# Altium PCB power-v3.4.PcbDoc (part 2 of 3)
Units mil, origin at the board's own origin, x right, y up, seen from the top; angles counter-clockwise.
Board outline 6141.36 x 3430.84 mil, 4 copper layers (Signal 1, Ground, Power, Signal 2), stack 60.469 mil thick; 246 components, 147 nets, 633 pads, 963 vias.
Unrouted connection lines stored in the file: 21.
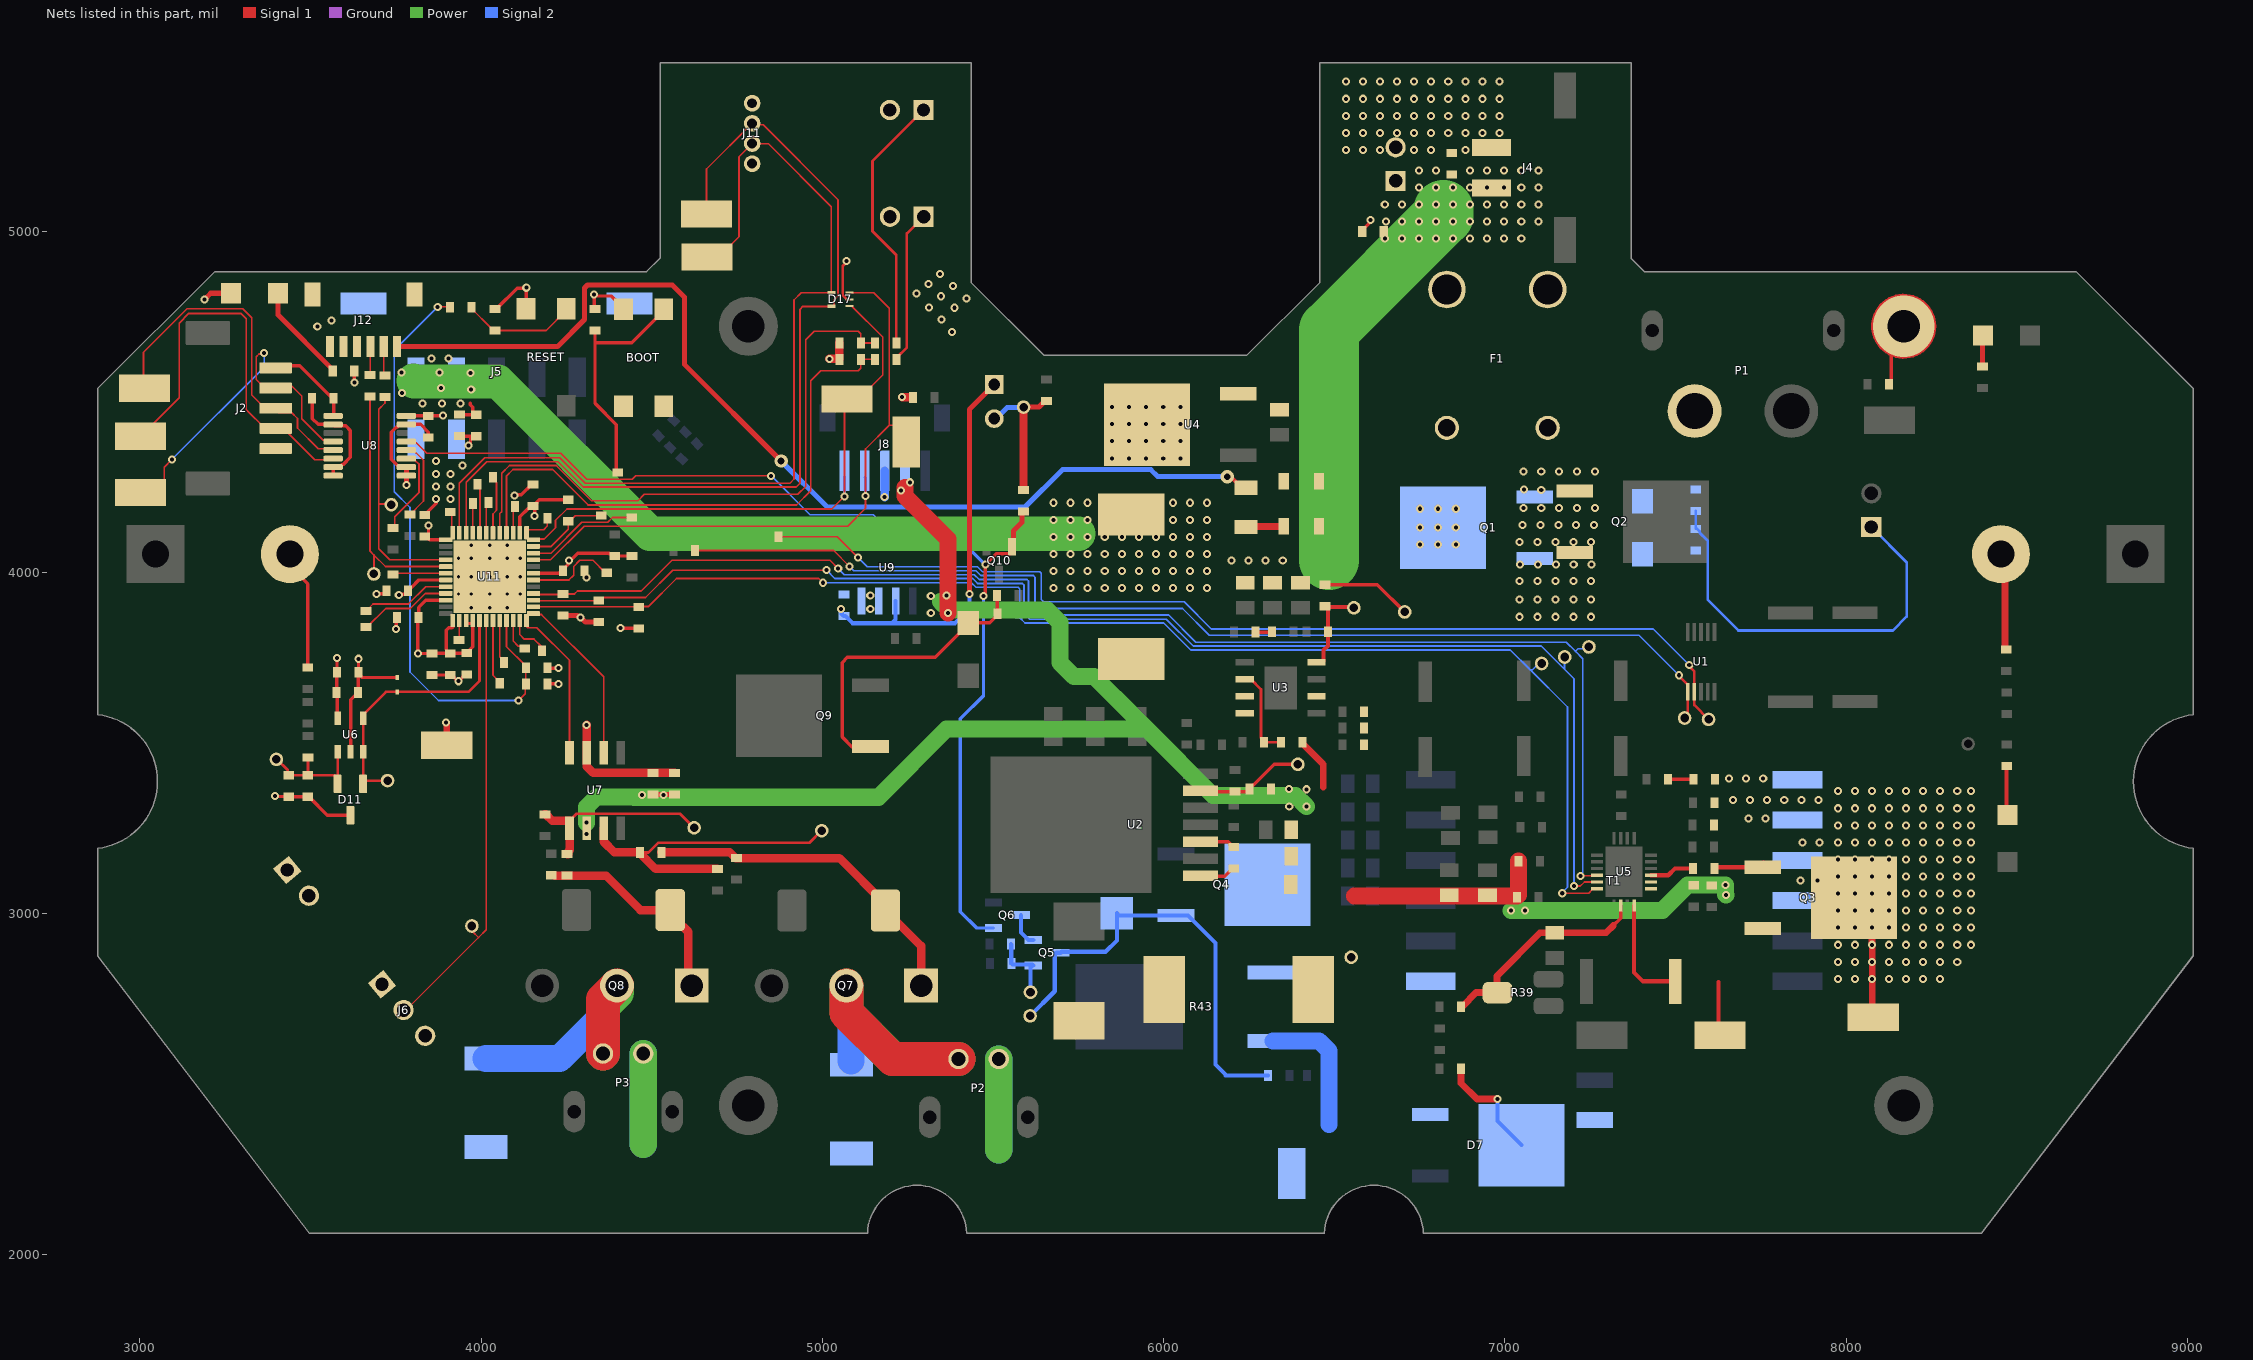
[diagram p4: the nets of this part, all layers, seen from the top]

## Part data (continued)
D4 D6: library part "DIODE SCHOTTKY 20V 1A", "Diode Schottky 20V 1A Surface Mount SOD-123FL", Current Rating=1A, Package=SOD-123, Voltage Rating=20V, ComponentLink1Description=digikey, ComponentLink1URL=https://www.digikey.ca/product-detail/en/on-semiconductor/MBR0540T1G/MBR0540T1GOSCT-ND/917967, Digikey=SM5817PL-TPMSCT-ND, Digikey Link=https://www.digikey.ca/product-detail/en/micro-commercial-co/SM5817PL-TP/SM5817PL-TPMSCT-ND/1793410, MF="Micro Commercial Co", MP=SM5817PL-TP, Supplier 1=Digi-Key, Supplier 2="Arrow Electronics", Supplier 3="Future Electronics", Supplier 4=Mouser
D7: "Diode Switching 600V 5A DPAK", Supplier Part Number 1=VS-5EWH06FN-M3-ND, Digikey=VS-5EWH06FN-M3-ND, Digikey Link=https://www.digikey.ca/en/products/detail/vishay-semiconductor-diodes-division/VS-5EWH06FN-M3/4934509, MF="Vishay Diodes", MF PN=VS-5EWH06FN-M3, Supplier 1=Digi-Key, Supplier 2=Newark, Supplier 3=Mouser, Supplier Part Number 2=82T9776, Supplier Part Number 3=78-VS-5EWH06FN-M3
D9: library part "DIODE ZENER 15V 3W", "Diode ZENER 15V 3W", Supplier Part Number 1=3SMBJ5929BTPMSCT-ND, Supplier 1=Digi-Key
D10: library part "DIODE ZENER 3.3 200mW", "Zener Diode 3.3 V 200 mW ±5% Surface Mount SOD-923", Mfr_Name="ON Semiconductor", Supplier Part Number 1=NZ9F3V3T5GOSCT-ND, Copyright="Copyright (C) 2021 Ultra Librarian. All rights reserved.", Digi-Key_Part_Number_1=NZ9F3V3T5GOSTR-ND, Digi-Key_Part_Number_2=NZ9F3V3T5GOSCT-ND, Digi-Key_Part_Number_3=NZ9F3V3T5GOSDKR-ND, Manufacturer_Part_Number=NZ9F3V3T5G, RefDes=RefDes, Supplier 1=Digi-Key, Type=DEV
D11: library part "DIODE TVS 3.3VR 3.5VBR", "3.3V Reverese Standoff, 3.5V Breakdown, 12.5V Clamp 40A (8/20µs) Ipp Tvs Diode SMD SOT-23", ComponentLink1Description="Octopart Link", ComponentLink1URL=https://octopart.com/search?q=SM3.3H-TP&currency=USD&specs=0
D12 D14: library part "DIODE FAST 600V 8A", "Diode Standard 600 V 8A Surface Mount SMC", Supplier Part Number 1=1740-MUR860JCT-ND, ComponentLink1Description="Octopart Link", ComponentLink1URL=https://octopart.com/search?q=MUR860J&currency=USD&specs=0, Supplier 1=DigiKey, Supplier 2=Digi-Key, Supplier 3=Newark, Supplier 4=Mouser, Supplier Part Number 2=1740-MUR860JCT-ND, Supplier Part Number 3=37AJ9020, Supplier Part Number 4=771-MUR860J
D13 D15: library part "DIODE TVS 14VR 15.6VBR", "23.2V Clamp 64.7A Ipp Tvs Diode Surface Mount DO-214AB (SMC), VR = 14V, VBR = 15.6V", Package=None, Supplier Part Number 1=SMCJ14ABCT-ND, Availability=Unavailable, MP=SMCJ14A, Price=None, Supplier 1=Digi-Key, Supplier 2=Mouser, Supplier Part Number 2=652-SMCJ14A
D17: library part "DIODE TVS 3.5 VWM 4 Channel", "- Clamp - Ipp Tvs Diode Surface Mount ESV 4 Channel", Manufacturer_Part_Number=df5a5.6cje(te85l, Mfr_Name="Toshiba Electronic Devices & Storage Co.", Supplier Part Number 1=DF5A5.6CJE,LMCT-ND, Copyright="Copyright (C) 2021 Ultra Librarian. All rights reserved.", Digi-Key_Part_Number_1=DF5A5.6CJE(TE85LF)TR-ND, Digi-Key_Part_Number_2=DF5A5.6CJE(TE85LF)CT-ND, Digi-Key_Part_Number_3=DF5A5.6CJE(TE85LF)DKR-ND, RefDes=RefDes, Supplier 1=Digi-Key, Type=DEV
F1: library part "FUSE BLADE", "Fuse Block 30A 500V 1 Circuit Blade Through Hole", Package="Nonstandard Keystone", Supplier Part Number 1=36-3549-2-ND, Availability=Unavailable, MF="Keystone Electronics", MP=3557-2, Price=None, SnapEDA_Link=https://www.snapeda.com/parts/3557-2/Keystone%20Electronics/view-part/278060/?ref=snap, Supplier 1=Digi-Key, Supplier 2=Newark, Supplier 3="Future Electronics", Supplier 4=Mouser, Supplier Part Number 2=22M2704, Supplier Part Number 3=5706072, Supplier Part Number 4=534-3549-2
F2: library part "FUSE 3A 63V SLOW", "FUSE 3A 63V AC/DC SLOW 1206", Current Rating (Amps)=3A, Operating Temperature="-55°C ~ 90°C", Voltage Rating - AC=63V, Response Time="Slow Blow", Voltage Rating - DC=63V
J1 J3: "Connector Header Through Hole 2 position 0.098 _2.50mm_ / JST XH", Package=None, Availability=Unavailable, MF="JST Sales", MP=B2B-XH-A_LF__SN_, Price=None, SnapEDA_Link=https://www.snapeda.com/parts/B2B-XH-A%28LF%29%28SN%29/JST%20Sales%20America%20Inc./view-part/492310/?ref=snap
J2: library part "CN 5POS JST ZE SMT", "CONN HEADER VERT SMD 5POS ZE", Supplier Part Number 1=455-2383-1-ND, Supplier 1=Digi-Key
J4: library part "CN HDR 2POS Molex 0436500214", "Connector Header Surface Mount, Right Angle 2 position 0.118\" (3.00mm)", Manufacturer_Name=Molex, Manufacturer_Part_Number=43650-0214, Supplier Part Number 1=WM14310CT-ND, Datasheet Link=http://www.molex.com/webdocs/datasheets/pdf/en-us//0436500214_PCB_HEADERS.pdf, Supplier 1=Digi-Key, Supplier 2=Newark, Supplier 3="Arrow Electronics", Supplier 4=Mouser, Supplier Part Number 2=39AH6218, Supplier Part Number 3=43650-0214, Supplier Part Number 4=538-43650-0214
J5: library part "CN HDR 10POS MOLEX 430451010", "Connector Header Surface Mount, Right Angle 10 position 0.118\" (3.00mm)", Mfr_Name="Molex Connector Corporation", Supplier Part Number 1=WM3819CT-ND, Copyright="Copyright (C) 2021 Ultra Librarian. All rights reserved.", Digi-Key_Part_Number_1=WM3819TR-ND, Digi-Key_Part_Number_2=WM3819CT-ND, Digi-Key_Part_Number_3=WM3819DKR-ND, Manufacturer_Part_Number=430451010, RefDes=RefDes, Supplier 1=Digi-Key, Supplier 2=Newark, Supplier 3=Mouser, Supplier Part Number 2=03AH4054, Supplier Part Number 3=538-43045-1010, Type=DEV
J6: library part "CN HDR 3POS JST XH", "Connector Header Through Hole 3 position 0.098 (2.50mm)", Package=None, Supplier Part Number 1=455-2248-ND, Availability="In Stock", Check_prices=https://www.snapeda.com/parts/B3B-XH-A(LF)(SN)/JST%20Sales%20America%20Inc./view-part/231271/?ref=eda, MF="JST Sales", MP=B3B-XH-A(LF)(SN), Price=None, SnapEDA_Link=https://www.snapeda.com/parts/B3B-XH-A(LF)(SN)/JST%20Sales%20America%20Inc./view-part/231271/?ref=snap, Supplier 1=Digi-Key
J7 J9 J10: "Connector Header Through Hole 2 position 0.098 _2.50mm_ / JST XH", Package=None, Supplier Part Number 1=455-2247-ND, Availability=Unavailable, MF="JST Sales", MP=B2B-XH-A_LF__SN_, Price=None, SnapEDA_Link=https://www.snapeda.com/parts/B2B-XH-A%28LF%29%28SN%29/JST%20Sales%20America%20Inc./view-part/492310/?ref=snap, Supplier 1=Digi-Key, Supplier 2=RSComponents, Supplier 3=RSComponents, Supplier Part Number 2=1667312, Supplier Part Number 3=8201554
J8: library part "CN 5POS JST ZR RA", "Connector Header Surface Mount, Right Angle 5 position 0.059\" (1.50mm)", Mfr_Name=JST, Supplier Part Number 1=455-1696-1-ND, Copyright="Copyright (C) 2021 Ultra Librarian. All rights reserved.", Digi-Key_Part_Number_1=455-1696-2-ND, Digi-Key_Part_Number_2=455-1696-1-ND, Digi-Key_Part_Number_3=455-1696-6-ND, Manufacturer_Part_Number="S5B-ZR-SM4A-TF (LF) (SN)", RefDes=RefDes, Supplier 1=Digi-Key, Type=DEV
J11: library part "CN HDR 4POS JST ZR", "Connector Header Through Hole, Right Angle 4 position 0.059\" (1.50mm)", Mfr_Name=JST, Supplier Part Number 1=455-1671-ND, Copyright="Copyright (C) 2021 Ultra Librarian. All rights reserved.", Digi-Key_Part_Number_1=455-1671-ND, Manufacturer_Part_Number=S4B-ZR(LF)(SN), RefDes=RefDes, Supplier 1=Digi-Key, Supplier 2=Newark, Supplier Part Number 2=38K8076, Type=DEV
J12: library part "CN 6POS JST SR SMT", "Connector Header Surface Mount, Right Angle 6 position 0.039 _1.00mm_", Package=None, Supplier Part Number 1=455-1806-1-ND, Digi-Key_Part_Number=455-1806-1-ND, Digi-Key_Purchase_URL=https://www.digikey.com/product-detail/en/jst-sales-america-inc/SM06B-SRSS-TB_LF__SN_/455-1806-1-ND/926877?utm_source=snapeda&utm_medium=aggregator&utm_campaign=symbol, MF="JST Sales", MP=SM06B-SRSS-TB_LF__SN_, SnapEDA_Link=https://www.snapeda.com/parts/SM06B-SRSS-TB%28LF%29%28SN%29/JST%20Sales%20America%20Inc./view-part/554386/?ref=snap, Supplier 1=Digi-Key
J13: "2 Pin Jumper Male Pins", Package=None, Availability=Unavailable, MP=5-146252-1, Price=None
L1: library part "IND 33UH 8A 58 MOHM SMD", "33µH Shielded Wirewound Inductor 8A 58mOhm Max Nonstandard", Package="1008 Bourns", Availability=Unavailable, MF=Bourns, MP=SRP1265A-330M, Price=None, SnapEDA_Link=https://www.snapeda.com/parts/SRP1265A-330M/Bourns/view-part/55645/?ref=snap, Supplier 1=Digi-Key, Supplier 2=Newark, Supplier 3=Mouser
L2: library part "IND 3.3UH 12A 12 MOHM SMD", "3.3uH 12A Shielded Molded Inductor 12mOhm Max", Mfr_Name=Vishay, Supplier Part Number 1=541-1020-1-ND, Copyright="Copyright (C) 2021 Ultra Librarian. All rights reserved.", Digi-Key_Part_Number_1=541-1020-1-ND, Digi-Key_Part_Number_2=541-1020-2-ND, Digi-Key_Part_Number_3=541-1020-6-ND, Manufacturer_Part_Number=IHLP5050CEER3R3M01, RefDes=RefDes, Supplier 1=Digi-Key, Type=DEV
P1: library part "XT60 Connector", "XT60 CONNECTORS FEMALE PAIR", Supplier Part Number 1=1568-1816-ND, Digikey=1568-1816-ND, Digikey Link=https://www.digikey.ca/product-detail/en/sparkfun-electronics/PRT-10474/1568-1816-ND/8258064, MF="SparkFun Electronics", MP=PRT-10474, Package=XT60, Price="2.13000 CAD", Supplier 1=Digi-Key
P2 P3: library part "CN MOLEX 4365002XX", "MOLEX MICROFIT 2CKT RIGHT THRU", Package=Microfit, Supplier Part Number 1=WM6264CT-ND, Digikey=WM17581-ND, Digikey Link=https://www.digikey.com/en/products/detail/molex/0436500205/3310532?s=N4IgTCBcDaICwGYBsBWADGsaUgLoF8g, MF=MOLEX, MP=4365002XX, Price="1.44 CAD", Supplier 1=Digi-Key, Supplier 2=Newark, Supplier 3=Mouser, Supplier Part Number 2=WM17581-ND, Supplier Part Number 3=538-43650-0210
Q1 Q2 Q9: library part "MOSFET IPD85P04P4-07", "P-Channel 40 V 85A (Tc) 88W (Tc) Surface Mount PG-TO252-3-313", Supplier Part Number 1=51AH5912, Supplier 1=Newark, Supplier 2=Mouser, Supplier 3=Digi-Key, Supplier Part Number 2=726-IPD85P04P4-07, Supplier Part Number 3=448-IPD85P04P407ATMA1CT-ND
Q3: library part "MOSFET N-CH IXFY36N20X3", "N-Channel 200 V 36A (Tc) 176W (Tc) Surface Mount TO-252AA", Supplier Part Number 1=IXFY36N20X3-ND, Supplier 1=Digi-Key
Q5 Q6 Q10: library part "MOSFET N-CH TN2130K1-G", "N-Channel 300 V 85mA (Tj) 360mW (Tc) Surface Mount TO-236AB (SOT23)", Mfr_Name=Microchip, Supplier Part Number 1=TN2130K1-GCT-ND, Copyright="Copyright (C) 2021 Ultra Librarian. All rights reserved.", Digi-Key_Part_Number_1=TN2130K1-GCT-ND, Digi-Key_Part_Number_2=TN2130K1-GDKR-ND, Digi-Key_Part_Number_3=TN2130K1-GTR-ND, Manufacturer_Part_Number=TN2130K1-G, RefDes=RefDes, Supplier 1=Digi-Key, Type=DEV
Q7 Q8: "IGBT Field Stop 600V 150A 750W Through Hole PowerTO-247-3", Package="TO-247 Fairchild Semiconductor", Power=750W, Supplier Part Number 1=FGY75N60SMDFS-ND, Ic max=150A, MF="ON Semiconductor", MP=FGY75N60SMD, Supplier 1=Digi-Key, Topology="Field Stop IGBT", Vce max=600V, Vge max=±20V
R1 R2 R26 R28 R31 R33 R46: library part "RES 100k 1/8W - 1%", "RES SMD 100K OHM 1% 1/8W 0805/0603", Package=0805, Power (Watts)=0.125W, Tolerance=1%
R3 R42 R44: library part "RES 5.1M 1/8W-5%", "RES SMD 5.1 MOHM 5% 1/8W 0805", Package=0805, Power (Watts)=0.125W, Tolerance=5%
R4 R38 R57 R58 R59 R63 R64: library part "RES 0 JUMPER", "RES SMD 0 OHM JUMPER GENERIC 0805/0603", Package=0805
R5 R6 R69: library part "RES 4.7k 1/8W - 5%", "RES SMD 4.7k OHM 5% 1/8W 0805", Package=0805, Power (Watts)=0.125W, Tolerance=5%
R7 R8: library part "RES 2m 1W", "RES SMD 2m OHM 1% 1W 1206", Package=1206, Power (Watts)=1W, Tolerance=1%, Resistance=2mOHM
R9 R18 R55 R71: library part "RES 47k 1/8W - 5%", "RES SMD 47k OHM 5% 1/8W 0805", Package=0805, Power (Watts)=0.125W, Tolerance=5%
R10: library part "RES 8.45k 1/8W", "RES SMD 8.45k OHM 1% 1/8W 0603", Package=0603, Power (Watts)=0.125W, Tolerance=1%
R11: library part "RES 383k 1/10W", "RES SMD 383k OHM 1% 1/10W 0603", Package=0603, Power (Watts)=0.1W, Tolerance=1%
R12 R36 R61 R70: library part "RES 10k 1/8W - 5%", "RES SMD 10K OHM 5% 1/8W 0805/0603", Package=0805, Power (Watts)=0.125W, Tolerance=5%
R13 R60 R62 R65 R68: library part "RES 1k 1/8W - 1%", "RES SMD 1K OHM 1% 1/8W 0603/0805", Package=0805, Power (Watts)=0.125W, Tolerance=1%
R14 R25 R27 R29 R34 R35 R56: library part "RES 100k 1/8W - 5%", "RES SMD 100K OHM 5% 1/8W 0805/0603", Package=0805, Power (Watts)=0.125W, Tolerance=5%
R15: library part "RES 4.3k 1/10W", "RES SMD 4.3K OHM 1% 1/10W 0603", Package=0603, Power (Watts)=0.1W, Tolerance=5%
R16: library part "RES 47k 1/8W - 1%", "RES SMD 47K OHM 1% 1/8W 0805", Package=0805, Power (Watts)=0.125W, Tolerance=1%
R17: library part "RES 820 1/10W", "RES SMD 820 OHM 1% 1/10W 0603", Package=0603, Power (Watts)=0.1W, Tolerance=1%
R19 R51 R53: library part "RES 110.0 1/8W - 1%", "RES SMD 110 OHM 1% 1/8W 0805/0603", Package=0805, Power (Watts)=0.125W, Tolerance=1%
R20: library part "RES 1.96k 1/8W", "RES SMD 1.96K OHM 1% 1/8W 0805", Package=0805, Power (Watts)=0.125W, Tolerance=1%
R21: library part "RES 174k 1/8W", "RES SMD 174K OHM 1% 1/8W 0805/0603", Case Code (Imperial)=0805, Case Code (Metric)=2012, Manufacturer=Yageo, Manufacturer Part Number=RC0805FR-07174KL, Max Operating Temperature=155°C, Max Power Dissipation=125mW, Min Operating Temperature=-55°C, Package Quantity=1, Resistance=174kR, Supplier Part Number 1=311-174KCRCT-ND, Temperature Coefficient=100ppm/°C, Tolerance=1%, Voltage Rating=150V, Case/Package=0805, Category="Chip SMD Resistors", ComponentLink1Description=https://datasheet.ciiva.com/2509/pyu-r-int-thick-7-2509472.pdf?src-supplier=Digi-Key, ComponentLink1URL=https://datasheet.ciiva.com/2509/pyu-r-int-thick-7-2509472.pdf?src-supplier=Digi-Key, ComponentLink2Description=https://datasheet.ciiva.com/2509/pyu-r-int-thick-7-2509471.pdf?src-supplier=Digi-Key, ComponentLink2URL=https://datasheet.ciiva.com/2509/pyu-r-int-thick-7-2509471.pdf?src-supplier=Digi-Key, ComponentLink3Description=https://datasheet.ciiva.com/2509/pyu-r-int-thick-7-2509473.pdf?src-supplier=Digi-Key, ComponentLink3URL=https://datasheet.ciiva.com/2509/pyu-r-int-thick-7-2509473.pdf?src-supplier=Digi-Key, Composition="Thick Film", Contact Plating=Tin,Matte, Depth=1.25mm, Features="Moisture Resistant", Height=0.024inch, Lead Free="Lead Free", Length=2mm, Military Standard=Not, Number of Terminations=2, Packaging="Tape and Reel", Power Rating=125mW, Pricing 1="1=0.10000, 10=0.04000, 100=0.01630, 1000=0.00731, 2500=0.00635 (USD)", Radiation Hardening=No, RoHS=Yes, Stock 1=27863, Supplier 1=Digi-Key, Termination=SMD/SMT, Voltage Rating (DC)=150V, Width=0.049inch
R22: library part "RES 255k 1/8W - 5%", "0805/0603 Resistor, 6A, 0.125W, 25ppm, 0.1%, 255K"
R23 R47 R48 R49: library part "RES 330k 1/8W - 1%", "RES SMD 330K OHM 1% 1/8W 0805/0603"
R24: library part "RES 495k 1/8W", "RES SMD 495K OHM 1% 1/8W 0805/0603", Case Code (Imperial)=0805, Case Code (Metric)=2012, Manufacturer=Yageo, Manufacturer Part Number=RC0805FR-07499KL, Max Operating Temperature=155°C, Min Operating Temperature=-55°C, Power Rating=125mW, Resistance=499kR, Supplier Part Number 1=311-499KCRCT-ND, Temperature Coefficient=100ppm/°C, Tolerance=1%, Voltage Rating=150V, Case/Package=0805, Category="Chip SMD Resistors", ComponentLink1Description=https://datasheet.ciiva.com/15189/getdatasheetpartid-326570-15189975.pdf?src-supplier=Verical, ComponentLink1URL=https://datasheet.ciiva.com/15189/getdatasheetpartid-326570-15189975.pdf?src-supplier=Verical, Composition="Thick Film", Contact Plating=Tin,Lead,Matte, Depth=1.25mm, Lead Free="Lead Free", Length=2mm, Military Standard=Not, Packaging="Tape and Reel", Pricing 1="1=0.10000, 10=0.04000, 100=0.01630, 1000=0.00731, 2500=0.00635 (USD)", Radiation Hardening=No, RoHS=Yes, Stock 1=2275, Supplier 1=Digi-Key, Termination=SMD/SMT, Voltage Rating (DC)=150V
R30 R37: library part "RES 25.5k 1/8W", "RES SMD 25.5K OHM 0.1% 1/8W 0805/0603", Case Code (Imperial)=0805, Case Code (Metric)=2012, Manufacturer=Panasonic, Manufacturer Part Number=ERA-6AEB2552V, Max Operating Temperature=155°C, Max Power Dissipation=125mW, Min Operating Temperature=-55°C, Package Quantity=1, Resistance=25.5kR, Supplier Part Number 1=P25.5KDACT-ND, Temperature Coefficient=25ppm/°C, Tolerance=0.1%, Voltage Rating=100V, Case/Package=0805, Category="Chip SMD Resistors", ComponentLink1Description=https://datasheet.ciiva.com/11810/0900766b80eb1d8c-11810651.pdf?src-supplier=RSComponents, ComponentLink1URL=https://datasheet.ciiva.com/11810/0900766b80eb1d8c-11810651.pdf?src-supplier=RSComponents, ComponentLink2Description=https://datasheet.ciiva.com/26335/459526-da-01-en-widerstand-0805-era-26335831.pdf?src-supplier=Conrad, ComponentLink2URL=https://datasheet.ciiva.com/26335/459526-da-01-en-widerstand-0805-era-26335831.pdf?src-supplier=Conrad, ComponentLink3Description=https://datasheet.ciiva.com/7870/485442-7870651.pdf?src-supplier=Element14, ComponentLink3URL=https://datasheet.ciiva.com/7870/485442-7870651.pdf?src-supplier=Element14, ComponentLink4Description=https://datasheet.ciiva.com/5987/485442-5987308.pdf?src-supplier=Farnell, ComponentLink4URL=https://datasheet.ciiva.com/5987/485442-5987308.pdf?src-supplier=Farnell, ComponentLink5Description=https://datasheet.ciiva.com/7870/485442-7870652.pdf?src-supplier=Element14, ComponentLink5URL=https://datasheet.ciiva.com/7870/485442-7870652.pdf?src-supplier=Element14, ComponentLink6Description=https://datasheet.ciiva.com/30151/54aoa0000ce26-30151583.pdf?src-supplier=Onlinecomponents.com, ComponentLink6URL=https://datasheet.ciiva.com/30151/54aoa0000ce26-30151583.pdf?src-supplier=Onlinecomponents.com, ComponentLink7Description=https://datasheet.ciiva.com/9191/aoa0000ce26-9191422.pdf?src-supplier=Avnet, ComponentLink7URL=https://datasheet.ciiva.com/9191/aoa0000ce26-9191422.pdf?src-supplier=Avnet, Composition="Metal Film,Thin Film", Contact Plating=Tin, Depth=1.25mm, Features="Automotive AEC-Q200", Height=0.5mm, Lead Free="Lead Free", Length=2mm, Military Standard=Not, Mount="Surface Mount", Number of Pins=2, Number of Terminations=2, Packaging="Tape and Reel", Power Rating=125mW, Pricing 1="1=0.36000, 10=0.30200, 100=0.11820, 1000=0.04948, 2500=0.04536 (USD)", Radiation Hardening=No, RoHS=Yes, Stock 1=5872, Supplier 1=Digi-Key, Termination=Solder, Voltage Rating (DC)=100V, Width=1.25mm
R32: library part "RES 11.5k 1/8W", "RES SMD 11.5K OHM 0.1% 1/8W 0805 Thin Film", Case Code (Imperial)=0805, Case Code (Metric)=2012, Manufacturer=Panasonic, Manufacturer Part Number=ERA-6AEB1152V, Max Operating Temperature=155°C, Max Power Dissipation=125mW, Min Operating Temperature=-55°C, Package Quantity=1, Resistance=11.5kR, Supplier Part Number 1=P11.5KDACT-ND, Temperature Coefficient=25ppm/°C, Tolerance=0.1%, Voltage Rating=100V, Case/Package=0805, Category="Chip SMD Resistors", ComponentLink1Description=https://datasheet.ciiva.com/11810/0900766b80eb1d8c-11810868.pdf?src-supplier=RSComponents, ComponentLink1URL=https://datasheet.ciiva.com/11810/0900766b80eb1d8c-11810868.pdf?src-supplier=RSComponents, ComponentLink2Description=https://datasheet.ciiva.com/41450/001181306-da-01-en-widerstand-era-0805-11k5-0-1-5000st-41450464.pdf?src-supplier=Conrad, ComponentLink2URL=https://datasheet.ciiva.com/41450/001181306-da-01-en-widerstand-era-0805-11k5-0-1-5000st-41450464.pdf?src-supplier=Conrad, ComponentLink3Description=https://datasheet.ciiva.com/5987/485442-5987301.pdf?src-supplier=Farnell, ComponentLink3URL=https://datasheet.ciiva.com/5987/485442-5987301.pdf?src-supplier=Farnell, ComponentLink4Description=https://datasheet.ciiva.com/7829/485442-7829142.pdf?src-supplier=Element14, ComponentLink4URL=https://datasheet.ciiva.com/7829/485442-7829142.pdf?src-supplier=Element14, ComponentLink5Description=https://datasheet.ciiva.com/17211/aoa0000ce26-17211855.pdf?src-supplier=Avnet+Europe, ComponentLink5URL=https://datasheet.ciiva.com/17211/aoa0000ce26-17211855.pdf?src-supplier=Avnet+Europe, ComponentLink6Description=https://datasheet.ciiva.com/7829/485442-7829143.pdf?src-supplier=Element14, ComponentLink6URL=https://datasheet.ciiva.com/7829/485442-7829143.pdf?src-supplier=Element14, ComponentLink7Description=https://datasheet.ciiva.com/9193/aoa0000ce26-9193735.pdf?src-supplier=Avnet, ComponentLink7URL=https://datasheet.ciiva.com/9193/aoa0000ce26-9193735.pdf?src-supplier=Avnet, ComponentLink8Description=https://datasheet.ciiva.com/24024/aoa0000ce26-197354-24024328.pdf?src-supplier=Mouser, ComponentLink8URL=https://datasheet.ciiva.com/24024/aoa0000ce26-197354-24024328.pdf?src-supplier=Mouser, Composition="Thin Film,Metal Film", Contact Plating=Tin, Depth=1.25mm, Features="Automotive AEC-Q200", Height=0.5mm, Lead Free="Lead Free", Length=2mm, Military Standard=Not, Mount="Surface Mount", Number of Pins=2, Number of Terminations=2, Packaging="Tape and Reel", Power Rating=125mW, Pricing 1="1=0.34000, 10=0.28800, 100=0.11260, 1000=0.04712, 2500=0.04320 (USD)", Radiation Hardening=No, RoHS=Yes, Stock 1=10661, Supplier 1=Digi-Key, Termination=Solder, Voltage Rating (DC)=100V, Width=1.25mm
R39: library part "RES POT 200", "SMD Potentiometer 200Ohm Range", Supplier Part Number 1=ST32ETB202CT-ND, Supplier 1=Digi-Key, Supplier 2=Digi-Key, Supplier 3=Newark, Supplier Part Number 2=ST32ETB202TR-ND, Supplier Part Number 3=58AC4255
R40: library part "RES 7m 3W", "RES SMD 7m OHM 1% 3W 2512", Package=1206, Power (Watts)=3W, Supplier Part Number 1=541-10361-1-ND, Tolerance=1%, ComponentLink1Description="Digikey Link", ComponentLink1URL=https://www.digikey.com/en/products/detail/vishay-dale/WFMB2512R0500FEA/9972278, Digikey=541-10282-1-ND, MFG=VISHAY, Resistance=7mOHM, Supplier 1=Digi-Key
R41: library part "RES 1.05k 1/8W", "RES SMD 1.05K OHM 0.1% 1/8W 0805/0603", Package=0805, Supplier Part Number 1=P1.05KDACT-ND, Tolerance=0.1%, Supplier 1=Digi-Key, Wattage=0.125W
R43: library part "RES 1.5k 50W", "RES SMD 1.5K OHM 1% 50W D2PAK", Package="D2PAK (TO-263)", Power (Watts)=50W, Tolerance=1%
R45: library part "RES 270k 1/8W", "RES SMD 270K OHM 5% 1/8W 0805/0603", Package=0805, Power (Watts)=0.125W, Tolerance=5%
R50: library part "RES 13k 1/8W", "RES SMD 13K OHM 5% 1/8W 0805/0603", Package=0805, Power (Watts)=0.125W, Tolerance=5%
R52 R54: library part "RES 10k 1/8W - 1%", "RES SMD 10K OHM 1% 1/8W 0805/0603", Package=0805, Power (Watts)=0.125W, Tolerance=1%
R66 R67: library part "RES 200.0 1/8W", "RES SMD 200 OHM 5% 1/8W 0805", Package=0805, Power (Watts)=0.125W, Tolerance=5%
T1: "Audio Transformers / Signal Transformers DA2032 Cap Chrgr For Linear LT3750/51", Supplier Part Number 1=994-DA2034-ALB, Supplier 1=Mouser
U1: library part ltc4151ims#pbf, "Power Supply Controller Power Supply Monitor 10-MSOP", Mfr_Name="Analog Devices / Linear Technology", Supplier Part Number 1=LTC4151IMS#PBF-ND, Copyright="Copyright (C) 2021 Ultra Librarian. All rights reserved.", Digi-Key_Part_Number_1=LTC4151IMS#PBF-ND, Manufacturer_Part_Number=ltc4151ims#pbf, RefDes=RefDes, Supplier 1=Digi-Key, Type=DEV
U2: "3A SIMPLE SWITCHERÂ®, Step-Down Voltage Regulator", Package=None, Availability=Unavailable, ComponentLink1Description=octopart, ComponentLink1URL=https://octopart.com/search?q=LM22677TJ-ADJ%2FNOPB&currency=USD&specs=0, MP=LM22677TJ-ADJ, Price=None
U3: "IC REG BUCK ADJ 6A 8HTSOP-J", Mfr_Name="ROHM Semiconductor", Supplier Part Number 1=846-1115-1-ND, Copyright="Copyright (C) 2021 Ultra Librarian. All rights reserved.", Digi-Key_Part_Number_1=846-1115-2-ND, Digi-Key_Part_Number_2=846-1115-1-ND, Digi-Key_Part_Number_3=846-1115-6-ND, Manufacturer_Part_Number=BD9C601EFJ-E2, RefDes=RefDes, Supplier 1=Digi-Key, Supplier 2=Newark, Supplier 3=Avnet, Supplier 4=Farnell, Supplier Part Number 2=53X2986, Supplier Part Number 3=BD9C601EFJ-E2, Supplier Part Number 4=2420849, Type=DEV
U4: "Linear Voltage Regulator IC Positive Fixed 1 Output 1A DPAK", Package=TO-252-3, Supplier Part Number 1=42Y0720, Digikey=NCP1117DT33T5GOSCT-ND, Digikey Link=https://www.digikey.ca/en/products/detail/onsemi/NCP1117DT33T5G/921285?s=N4IgTCBcDaIHIGEAKBGNB2AIgFQMy%2BwFYBxEAXQF8g, MF=onsemi, MP=NCP1117DT33T5G, Supplier 1=Newark, Supplier 2=Digi-Key, Supplier 3=Digi-Key, Supplier Part Number 2=NCP1117DT33T5GOSCT-ND, Supplier Part Number 3=NCP1117DT33T5GOSDKR-ND
U5: "Photoflash Capacitor Charger PMIC 20-QFN (4x5)", Manufacturer_Part_Number=lt3751iufd#pbf, Mfr_Name="Analog Devices / Linear Technology", Copyright="Copyright (C) 2021 Ultra Librarian. All rights reserved.", Digi-Key_Part_Number_1=LT3751IUFD#PBF-ND, RefDes=RefDes, Supplier 1=Digi-Key, Supplier 2="Arrow Electronics", Supplier 3=Mouser, Supplier Part Number 2=LT3751IUFD#PBF, Type=DEV
U6: library part "OP AMP MCP6231UT-E/OT", "General Purpose Amplifier 1 Circuit Rail-to-Rail SOT-23-5", Mfr_Name=Microchip, Supplier Part Number 1=MCP6231UT-E/OTCT-ND, Copyright="Copyright (C) 2021 Ultra Librarian. All rights reserved.", Digi-Key_Part_Number_1=MCP6231UT-E/OTCT-ND, Digi-Key_Part_Number_2=MCP6231UT-E/OTDKR-ND, Digi-Key_Part_Number_3=MCP6231UT-E/OTTR-ND, Manufacturer_Part_Number=MCP6231UT-E/OT, RefDes=RefDes, Supplier 1=Digi-Key, Type=DEV
U7: "Low-Side Gate Driver IC Non-Inverting 8-SOIC", Supplier Part Number 1=MCP14A0454T-E/SNCT-ND, Supplier 1=Digi-Key, Supplier 2=Mouser, Supplier Part Number 2=579-MCP14A0454TE/SN
U8: library part "ISO ADUM141D1BRQZ", "Digital Isolator CMOS 4-CH 150Mbps 16-Pin QSOP T/R", Case/Package=SSOP, Isolated Power=No, Manufacturer="Analog Devices", Manufacturer Part Number=ADUM141D1BRQZ-RL7, Max Operating Temperature=125°C, Min Operating Temperature=-40°C, Category="Interface ICs", Channel Type=Unidirectional, ComponentLink1Description=https://www.analog.com/media/en/technical-documentation/data-sheets/ADuM140D_140E_141D_141E_142D_142E.pdf?src-supplier=Digi-Key, ComponentLink1URL=https://www.analog.com/media/en/technical-documentation/data-sheets/ADuM140D_140E_141D_141E_142D_142E.pdf?src-supplier=Digi-Key, Data Rate=150Mbps, Mount="Surface Mount", Number Of Channels=4, Number of Pins=16, Packaging="Tape and Reel", Pricing 1="1=3.87700, 10=3.47000, 25=3.26100, 50=3.22900, 100=2.78500, 250=2.67500 (USD)", Propagation Delay=13ns, Pulse Width Distortion (PWD)=3ns, RoHS=Yes, RoHS Compliant=Yes, Stock 1=341, Supplier 1="Arrow Electronics", Supplier Part Number 1=ADUM141D1BRQZ-RL7, Type="General Purpose"
U9: "Supervisor Push-Pull, Totem Pole 1 Channel 8-SOIC", Package="SOIC-8 Analog Devices", Supplier Part Number 1=ADM706SARZ-REELCT-ND, Check_prices=https://www.snapeda.com/parts/ADM706SARZ-REEL/Analog+Devices/view-part/?ref=eda, Digi-Key_Part_Number=ADM706SARZ-REELCT-ND, MF="Analog Devices", MP=ADM706SARZ-REEL, Purchase-URL=https://pricing.snapeda.com/search/part/ADM706SARZ-REEL/?ref=eda, SnapEDA_Link=https://www.snapeda.com/parts/ADM706SARZ-REEL/Analog+Devices/view-part/?ref=snap, Supplier 1=Digi-Key, Supplier 2="Arrow Electronics", Supplier 3=Mouser, Supplier Part Number 2=ADM706SARZ-REEL, Supplier Part Number 3=584-ADM706SARZ-R
U11: "Bluetooth, WiFi 802.11b/g/n, Bluetooth v4.2 +EDR, Class 1, 2 and 3 Transceiver Module 2.4GHz ~ 2.5GHz Surface Mount", Package="SMD-48 Espressif Systems", Availability=Warning, Check_prices=https://www.snapeda.com/parts/ESP32-PICO-D4/Espressif%20Systems/view-part/2762121/?ref=eda, MF="Espressif Systems", MP=ESP32-PICO-D4, Price=None, Purchase-URL=https://pricing.snapeda.com/search/part/ESP32-PICO-D4/?ref=eda, SnapEDA_Link=https://www.snapeda.com/parts/ESP32-PICO-D4/Espressif%20Systems/view-part/2762121/?ref=snap
Q4: MFG=STMicroelectronics, Supplier=Digikey, Supplier PN=497-16925-1-ND

## Free pads (board coordinates)
  round 173.23 hole 94.49: ""(4783.29,2437.79) ""(4783.29,4721.25) ""(8169.12,2437.79) ""(8169.12,4721.25)

## Via types
v1: diameter 23.62, hole 11.81, Signal 1 to Signal 2, tented both sides, 936 vias
v2: diameter 19.68, hole 9.84, Signal 1 to Signal 2, tented both sides, 21 vias
v3: diameter 181.1, hole 94.49, Signal 1 to Signal 2, 4 vias
v4: diameter 39.37, hole 19.68, Signal 1 to Signal 2, 2 vias

## Nets (pads, with @x,y where several pads share a name; then routed paths per layer and width w, separated by ;. In a path a pad name is that pad's centre, name@x,y a point inside that pad or via, vN(x,y) a via of type N, cw(c..) or ccw(c..) an arc to the next point about the centre after c; other vN are vias at no path point)
3V3: 3V3.1 C16.2 C36.2 C37.1 C45.2 C59.2 C60.2 C61.2 C62.2 C63.2 C64.2 C65.2 C66.2 J6.1 J7.2 J11.4 J13.2 R5.2 R6.2 R19.2 R34.1 R35.1 R61.1 R69.2 R70.2 U4.2 U6.5 U8.16 U11.1 U11.3 U11.4 U11.19 U11.26 U11.37 U11.43 U11.46 | length 2260.9
  Signal 1 w8: v1(3845.93,4137.39) 3845.99,4137.33 C62.2@3845.99,4113.72
  Signal 1 w10: v1(3577.83,3749.25) 3577.8,3707.15 3577.19,3706.54 3577.19,3648.67 C37.1@3576.6,3648.08 3578.4,3646.28 3578.4,3574.36 U6.5@3580.21,3572.55 ; R19.2@3628.4,4590.12 3628.58,4589.94 3628.58,4556.36 v1(3628.76,4556.18) ; v1(3758.93,3934.33) 3759.99,3935.39 3779.67,3935.39 3786.49,3942.2 3786.49,3950.08 3793.3,3956.89 3797.23,3956.89 3818.01,3977.66 U11.43@3896.61,3977.66 ; U8.16@3781.03,4458.5 3781.77,4459.24 3888.07,4459.24 v1(3888.81,4459.99) ; v1(3814.72,3762.01) v1@3814.88,3762.17 ; C64.2@3816.1,3867.64 3814.88,3866.42 v1@3814.88,3762.17 ; C64.2@3817.1,3867.64 3817.1,3897.2 3838.52,3918.61 U11.46@3896.61,3918.61 ; C62.2@3835.08,4105.74 3839.02,4105.74 3848.98,4095.77 U11.37@3888.82,4095.77 ; C59.2@3856.26,3762.17 v1@3814.88,3762.17 ; C59.2@3856.26,3762.32 3857.02,3763.08 C66.2@3904.95,3763.08 ; U11.37@3894.64,4095.77 U11.37@3896.61,4095.77 ; C66.2@3909.65,3762.32 3905.71,3762.32 C66.2@3904.95,3763.08 ; U11.1@3916.89,3858.96 3916.89,3839.28 3915,3837.39 3905.42,3837.39 3897.84,3829.81 3897.84,3774.13 3898.9,3773.07 3898.9,3769.14 C66.2@3904.95,3763.08 ; U11.3@3956.26,3850.1 3975.94,3850.1 3975.88,3850.04 3975.88,3781.69 3968.77,3774.58 3968.77,3770.65 3961.96,3763.84 C65.2@3958.03,3763.84 3957.27,3763.08 C66.2@3904.95,3763.08 ; U11.26@4113.74,4124.91 4113.74,4162.48 4139.06,4187.8 4145.14,4187.8 C63.2@4151.95,4194.61 ; v1(4156.84,4165.61) 4156.84,4189.72 C63.2@4151.95,4194.61 ; U11.19@4162.55,3997.35 4227.27,3997.35 C60.2@4228.97,3999.05 ; R61.1@4195.16,3673.05 4195.65,3673.54 v1(4226.47,3673.54) ; C60.2@4240.16,4005.08 4240.16,4009.02 4255.14,4024 4255.14,4031.58 v1(4257.75,4034.19) 4261.43,4034.19 4282.85,4055.6 4375.17,4055.6 4375.65,4055.13 4384.96,4055.13 R6.2@4391.77,4048.32 4392.13,4047.96 4441.94,4047.96 R5.2@4442.29,4047.61 ; R70.2@4255.68,4212.85 4170.19,4212.85 4162.7,4205.36 4162.7,4201.42 4155.89,4194.61 C63.2@4151.95,4194.61
  Signal 1 w15: R35.1@4240.04,3872.9 4241.02,3873.87 4282.12,3873.87 4288.67,3867.33 v1(4291,3867.33) 4293.33,3867.33 4305.71,3854.95 R34.1@4345.12,3854.95 ; R69.2@5586.75,4249.88 R69.2@5589.85,4246.77 ; 3V3.1@5589.85,4484.34 5635.35,4484.34 5652.87,4501.86 C16.2@5656.81,4501.86
  Signal 1 w23.62: R69.2@5589.85,4246.77 3V3.1@5589.85,4484.34
  Signal 2 w15: J13.2@5503.88,4450.44 5509.34,4450.44 5541.98,4483.08 5588.59,4483.08 3V3.1@5589.85,4484.34
  other v1: 5849.19,4334.39 5899.19,4334.39 5949.19,4334.39 5999.19,4334.39 6049.19,4334.39 5849.19,4384.39 5899.19,4384.39 5949.19,4384.39 5999.19,4384.39 6049.19,4384.39 5849.19,4434.39 5899.19,4434.39 5949.19,4434.39 5999.19,4434.39 6049.19,4434.39 5849.19,4484.39 5899.19,4484.39 5949.19,4484.39 5999.19,4484.39 6049.19,4484.39
3V3_JETSON: C44.2 J2.5 U8.1 | length 273.8
  Signal 1 w10: J2.5@3383.51,4605.35 3468.39,4605.35 3568.25,4505.49 3568.25,4501.56 3568.25,4460.28 U8.1@3566.46,4458.5
5V: 5V.1 C11.1 C12.1 C13.1 C46.2 C47.2 C51.2 C52.2 D6.A J3.1 J4.2 J5.4 J5.5 L2.1 R15.2 | length 3642.6
  Signal 1 w10: C51.2@3937.13,4462.45 3975.9,4462.45 3975.9,4484.2 3968.62,4491.49 3968.62,4495.17 ; R15.2@6473.02,3963.73 6626.84,3963.73 5V.1@6706.59,3883.98
  Power w100: 3801.72,4561.45 3804.09,4559.09 4049.69,4559.09 4495.6,4113.18 5751.16,4113.18
  Power w175: 6484.74,4035.58 6484.74,4145.5 6484.74,4710.33 6820.46,5046.05 6820.46,5062.89
  other v1: 5677.76,3954.01 5727.76,3954.01 5777.76,3954.01 5827.76,3954.01 5877.76,3954.01 5927.76,3954.01 5977.76,3954.01 6027.76,3954.01 6077.76,3954.01 6127.76,3954.01 5677.76,4004.01 5727.76,4004.01 5777.76,4004.01 5827.76,4004.01 5877.76,4004.01 5927.76,4004.01 5977.76,4004.01 6027.76,4004.01 6077.76,4004.01 6127.76,4004.01 6199.33,4034.36 6249.33,4034.36 6299.33,4034.36 6349.33,4034.36 5677.76,4054.01 5727.76,4054.01 5777.76,4054.01 5827.76,4054.01 5877.76,4054.01 5927.76,4054.01 5977.76,4054.01 6027.76,4054.01 6077.76,4054.01 6127.76,4054.01 5677.76,4104.01 5727.76,4104.01 5777.76,4104.01 5827.76,4104.01 5877.76,4104.01 5927.76,4104.01 5977.76,4104.01 6027.76,4104.01 6077.76,4104.01 6127.76,4104.01 5677.76,4154.01 5727.76,4154.01 5777.76,4154.01 6027.76,4154.01 6077.76,4154.01 6127.76,4154.01 5677.76,4204.01 5727.76,4204.01 5777.76,4204.01 6027.76,4204.01 6077.76,4204.01 6127.76,4204.01 3828.89,4495.17 3885.19,4495.17 3939.89,4495.17 3768.82,4525.04 3971.27,4536.05 3882.18,4540.94 3969.58,4584.73 3766.41,4585.93 3878.74,4585.99 3855.01,4626.92 3904.6,4627.16 6648.29,4977.96 6698.29,4977.96 6748.29,4977.96 6798.29,4977.96 6848.29,4977.96 6898.29,4977.96 6948.29,4977.96 6998.29,4977.96 7048.29,4977.96 6698.29,5027.96 6748.29,5027.96 6798.29,5027.96 6848.29,5027.96 6898.29,5027.96 6948.29,5027.96 6998.29,5027.96 7048.29,5027.96 7098.29,5027.96 6651.6,5028.54 6648.29,5077.96 6698.29,5077.96 6748.29,5077.96 6798.29,5077.96 6848.29,5077.96 6898.29,5077.96 6948.29,5077.96 6998.29,5077.96 7048.29,5077.96 7098.29,5077.96 6748.29,5127.96 6798.29,5127.96 6848.29,5127.96 6898.29,5127.96 6948.29,5127.96 6998.29,5127.96 7048.29,5127.96 7098.29,5127.96 6748.29,5177.96 6798.29,5177.96 6898.29,5177.96 6948.29,5177.96 6998.29,5177.96 7048.29,5177.96 7098.29,5177.96
5V_EN: R14.1 R18.2 U3.6 | length 268.3
  Signal 1 w8: U3.6@6238.27,3686.88 6255.77,3686.88 6285.3,3657.35 6285.3,3515.32 6294.73,3505.89 R18.2@6294.73,3501.96 6294.94,3502.17 6344.06,3502.17 R14.1@6344.28,3502.39
5V_FLASH: F2.1 J12.1 | length 3068.7
  Signal 1 w12: v4(6186.74,4280.61) 6191.98,4275.38 6201.57,4275.38 6228.95,4248 F2.1@6242.14,4248
  Signal 1 w15: J12.1@3754.24,4662.14 4224.49,4662.14 4303.32,4740.97 4303.32,4833.28 4312.11,4842.06 4560.31,4842.06 4595.68,4806.7 4595.68,4609.96 v4(4879.28,4326.36)
  Signal 2 w15: v4(4879.28,4326.36) 5014.33,4191.31 5593.9,4191.31 5703.57,4300.97 5962.46,4300.97 5982.82,4280.61 v4(6186.74,4280.61)
5V_VFB: 5FB.1 R15.1 R17.2 U3.4 | length 279.7
  Signal 1 w12: U3.4@6448.27,3736.88 6465.77,3736.88 6469.27,3740.38 6469.27,3772.36 6481.56,3784.65 R17.2@6481.56,3826.38 6481.56,3894.92 R15.1@6478.01,3898.47 ; 5FB.1@6557.8,3896.2 6555.54,3898.47 R15.1@6478.01,3898.47 ; R15.1@6478.01,3898.47 6475.29,3898.47 R15.1@6473.02,3900.73 6475.74,3900.73 R15.1@6478.01,3898.47
12V: 12V.1 C5.2 C6.2 C7.2 C8.2 C9.1 C10.1 C17.2 C21.2 C34.1 C35.2 C39.2 C40.2 J8.2 L1.2 R10.1 R14.2 R21.2 R22.2 U3.2 U5.11 U5.12 U7.6 | length 5078
  Signal 1 w15: C39.2@4503.68,3349.51 4504.34,3348.86 4533.47,3348.86 v1(4534.12,3348.2) 4534.82,3348.9 4566.47,3348.9 C40.2@4567.16,3349.59
  Signal 1 w20: R14.2@6407.27,3502.39 6407.27,3498.45 6467.89,3437.84 6467.89,3370.48
  Signal 1 w50: 5242.57,4249 5242.57,4223.22 5367.89,4097.9 v1(5367.89,3880.66) ; 6559.51,3051.48 R22.2@7035.92,3051.48 ; R22.2@7039.84,3054.77 R21.2@7039.84,3153.74
  Power w50: v1(4308.92,3266.37) 4308.92,3312.11 4338.21,3341.4 4448.81,3341.4 4448.5,3341.09 5164.59,3341.09 5364.28,3540.77 5950.82,3540.77 ; 5346.61,3914.08 5371.13,3889.56 5659.5,3889.56 5695.98,3853.07 5695.98,3736.17 5737.03,3695.12 5796.47,3695.12 5915.58,3576.01 5950.82,3540.77 ; v1(6418.42,3314.43) 6386.35,3346.5 6145.08,3346.5 5950.82,3540.77 ; v1(7018.43,3009.39) 7461.67,3009.39 7536.06,3083.78 v1(7646.87,3083.78) 7646.87,3056.1 v1(7648.2,3054.77)
  other v1: 7059.07,3009.69 4309.56,3233.33 6368.42,3314.43 4471.18,3348.17 6418.42,3364.43 6367.14,3364.95 5317.89,3880.66 5317.89,3930.66 5364.16,3932.12 5230.36,4239.46 5257.25,4264.06
12V_BOOT: C1.2 U2.3 | length 105.6
  Signal 1 w10: U2.3@6108.08,3210.5 6189.05,3210.5 6194.91,3204.64 6194.91,3201.88 6201.72,3195.07 C1.2@6205.65,3195.07
12V_VFB: 12FB.1 R10.2 R13.1 U2.6 | length 322.7
  Signal 1 w10: U2.6@6108.08,3360.5 6111.08,3357.5 R13.1@6209.44,3357.5 6245.65,3357.5 6252.46,3364.31 R10.2@6252.46,3365.29 6252.46,3369.23 6259.27,3376.04 6263.2,3376.04 6324.65,3437.49 12FB.1@6393.56,3437.49
+HV: +HV.1 C22.POS C23.POS C32.1 D7.2 D12.1 D14.1 P2.1 P3.1 R25.2 R26.2 R42.2 R43.2 R47.2 | length 2423.9
  Signal 1 w10: C22.POS@3439.76,4053.54 3439.76,4018.2 3491.91,3966.05 R47.2@3491.91,3721.69
  Signal 1 w12: C23.POS@8454.33,4053.54 C23.POS@8457.55,4050.33 ; R25.2@8465.92,3777.06 R25.2@8469.14,3773.85
  Signal 1 w19.68: R25.2@8465.92,3777.06 C23.POS@8465.92,4049.19
  Signal 1 w20: R26.2@6872.07,2545.38 6872.07,2502.93 6918.42,2456.58 v1(6978.93,2456.58)
  Power w80: 4475.4,2324.18 P3.1@4475.4,2589.89 ; 5517.35,2308.24 P2.1@5517.35,2573.96
  Signal 2 w12: v1(6978.93,2456.58) 6978.93,2392.08 D7.2@7049.43,2321.58
  Signal 2 w50: 5516.69,2307.58 5517.35,2308.24 ; R43.2@6320.45,2627.12 6456.08,2627.12 6485.37,2597.83 6485.37,2382.18
  Signal 2 w80: 4475.4,2324.18 P3.1@4475.4,2589.89 ; 5517.35,2308.24 P2.1@5517.35,2573.96
+VBAT: F1.3 F1.4 P1.2
/PWR_CUT: Q6.1 Q10.1 R69.1 U9.8 | length 1637
  Signal 1 w10: v1(5472.38,3931.37) 5472.38,3935.05 5477.91,3940.59 v1(5477.91,4022.95) ; v1@5477.43,4022.47 5509.51,4054.55 5549.06,4054.55 5555.68,4061.16 Q10.1@5555.68,4075.14
  Signal 1 w15: Q10.1@5555.68,4075.14 5559.79,4079.25 5559.79,4121.05 5585.53,4146.79 5585.53,4173.97 R69.1@5589.84,4173.97
  Signal 2 w10: U9.8@5264.91,4110.19 5390.68,4110.19 v1(5477.91,4022.95) ; v1(5472.38,3931.37) 5472.38,3638.83 5404.82,3571.28 5404.82,3005.73 5452.58,2957.97 Q6.1@5501.7,2957.97